# Altium PCB UltraZOhm_CarrierBoard.PcbDoc (part 4 of 12) (continued)
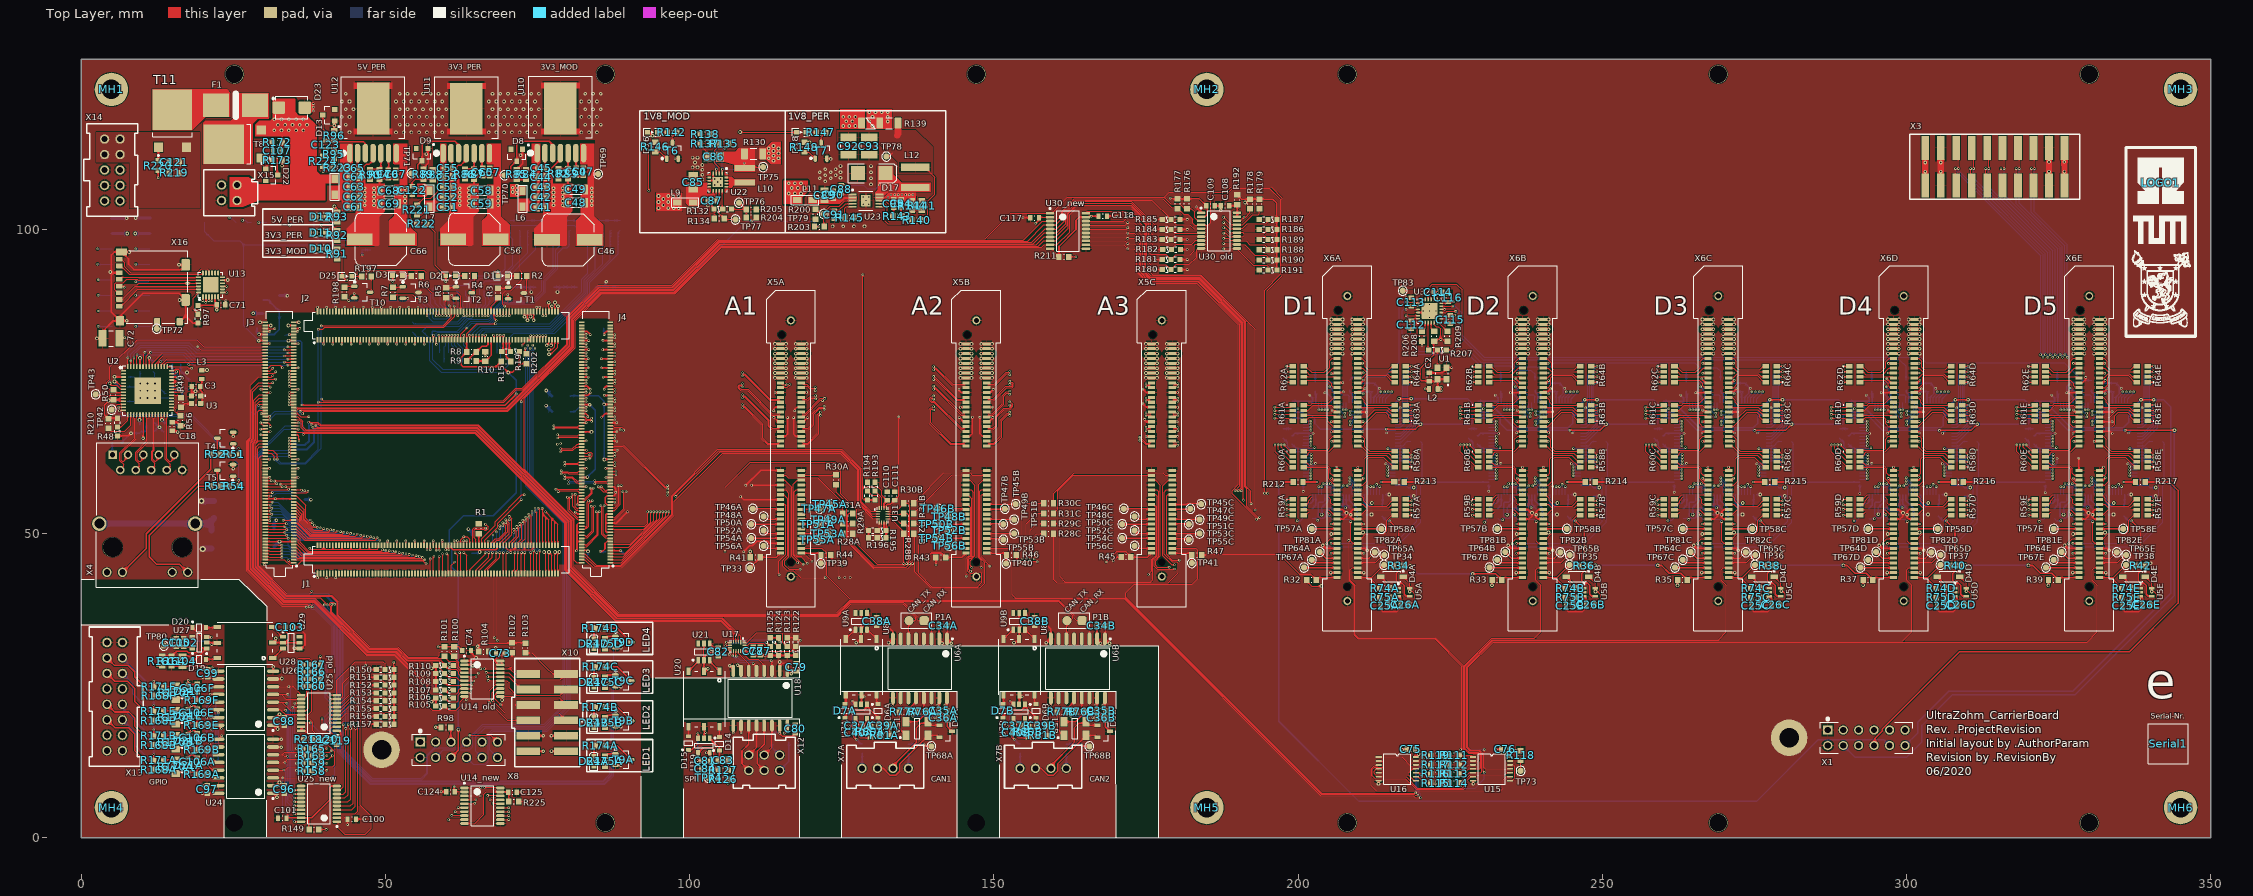
[diagram p0: Top Layer view]
## Nets (pads, with @x,y where several pads share a name; then routed paths per layer and width w, separated by ;. In a path a pad name is that pad's centre, name@x,y a point inside that pad or via, vN(x,y) a via of type N, cw(c..) or ccw(c..) an arc to the next point about the centre after c; other vN are vias at no path point) (continued)
ANL_03_P3: J4.36 X5C.23 | length 105.8
  Top Layer w0.1: v1(80.68,56.5) 80.8,56.38 80.8,54.485 81.409,53.876 81.632,53.876 81.772,53.736 J4.36@82.287,53.736 ; v2(175,72.27) 175.15,72.12 175.62,72.12 X5C.23@175.9,72.4
  L03_Sig w0.1: v1(80.68,56.5) 80.68,56.503 81.097,56.92 86.383,56.92 88.203,58.74 92.682,58.74 101.802,67.86 168.044,67.86 172.304,72.12 174.85,72.12 v2(175,72.27)
ANL_04_N1: J4.132 X5A.26 | length 44.2
  Top Layer w0.1: J4.132@82.287,77.736 82.99,77.736 v2(83,77.726) ; X5A.26@118.34,71.6 118.39,71.65 118.39,71.67 118.6,71.88 119.38,71.88 119.8,72.3 120.55,72.3 v1(120.7,72.15)
  L03_Sig w0.1: v2(83,77.726) 83.15,77.876 85.487,77.876 86.211,78.6 102.4,78.6 105.82,75.18 109,75.18 111.88,72.3 120.55,72.3 v1(120.7,72.15)
ANL_04_N2: J4.96 X5B.26 | length 116.5
  Top Layer w0.1: J4.96@82.287,68.736 82.826,68.736 82.956,68.605 83.746,68.605 v1(83.896,68.455) ; X5B.26@148.82,71.6 148.87,71.65 149.1,71.88 149.98,71.88 152.08,73.98 152.991,73.98 153.22,74.209 153.22,74.691 153.011,74.9 152.75,74.9 v1(152.6,75.05)
  L03_Sig w0.1: v1(78.805,64.821) 78.98,64.996 78.98,84.055 81.565,86.64 112.465,86.64 114.665,88.84 123.871,88.84 137.811,74.9 141.7,74.9 142.2,74.4 151.4,74.4 151.9,74.9 152.45,74.9 v1(152.6,75.05)
  L04_Sig w0.1: v1(78.805,64.821) 78.805,65.089 82.321,68.605 83.746,68.605 v1(83.896,68.455)
ANL_04_N3: J4.35 X5C.26 | length 103.7
  Top Layer w0.1: J4.35@86.957,53.736 87.007,53.786 87.597,53.786 88.62,54.809 88.62,57.75 v1(88.77,57.9) ; X5C.26@179.3,71.6 179.35,71.65 179.35,71.75 179.5,71.9 180.05,71.9 v2(180.2,71.75)
  L03_Sig w0.1: v1(88.77,57.9) 88.97,58.1 92.947,58.1 102.067,67.22 168.791,67.22 172.251,70.68 177.591,70.68 178.811,71.9 180.05,71.9 v2(180.2,71.75)
ANL_04_P1: J4.134 X5A.24 | length 44.2
  Top Layer w0.1: J4.134@82.287,78.236 82.99,78.236 v2(83,78.246) ; X5A.24@118.34,72.4 118.39,72.35 118.39,72.31 118.6,72.1 119.289,72.1 119.709,72.52 120.55,72.52 v1(120.7,72.67)
  L03_Sig w0.1: v2(83,78.246) 83.15,78.096 85.396,78.096 86.12,78.82 102.491,78.82 105.911,75.4 109.091,75.4 111.971,72.52 120.55,72.52 v1(120.7,72.67)
ANL_04_P2: J4.98 X5B.24 | length 117.3
  Top Layer w0.1: J4.98@82.287,69.236 82.698,69.236 83.109,68.825 83.746,68.825 v1(83.896,68.975) ; X5B.24@148.82,72.4 148.87,72.35 148.87,72.33 149.1,72.1 149.889,72.1 151.989,74.2 152.9,74.2 153,74.3 153,74.6 152.92,74.68 152.75,74.68 v1(152.6,74.53)
  L03_Sig w0.1: v1(78.283,64.694) 78.537,64.44 78.969,64.44 79.2,64.671 79.2,83.964 81.656,86.42 112.556,86.42 114.756,88.62 123.78,88.62 137.72,74.68 141.609,74.68 142.109,74.18 151.491,74.18 151.991,74.68 152.45,74.68 v1(152.6,74.53)
  L04_Sig w0.1: v1(78.283,64.694) 78.283,64.878 82.23,68.825 83.746,68.825 v1(83.896,68.975)
ANL_04_P3: J4.37 X5C.24 | length 103.8
  Top Layer w0.1: J4.37@86.957,54.236 87.736,54.236 88.4,54.9 88.4,57.75 v1(88.25,57.9) ; X5C.24@179.3,72.4 179.35,72.35 179.35,72.27 179.5,72.12 180.05,72.12 v2(180.2,72.27)
  L03_Sig w0.1: v1(88.25,57.9) 88.25,57.903 88.667,58.32 92.856,58.32 101.976,67.44 168.7,67.44 172.16,70.9 177.5,70.9 178.72,72.12 180.05,72.12 v2(180.2,72.27)
ANL_05_N1: J4.133 X5A.31 | length 33.6
  Top Layer w0.1: J4.133@86.957,78.236 87.69,78.236 v2(87.7,78.246) ; v1(108.7,74.65) 108.55,74.5 108.189,74.5 107.98,74.291 107.98,73.909 108.409,73.48 109.52,73.48 113.52,69.48 114.8,69.48 114.89,69.39 114.89,69.25 X5A.31@114.94,69.2
  L03_Sig w0.1: v2(87.7,78.246) 87.85,78.096 101.815,78.096 105.411,74.5 108.55,74.5 v1(108.7,74.65)
ANL_05_N2: J4.48 X5B.31 | length 107.1
  Top Layer w0.1: v1(78.41,56.921) 78.59,56.921 78.74,57.071 81.562,57.071 81.897,56.736 J4.48@82.287,56.736 ; v1(140.1,73.73) 140.25,73.88 140.3,73.88 144.68,69.5 145.12,69.5 X5B.31@145.42,69.2
  L03_Sig w0.1: v1(78.41,56.921) 78.41,61.309 79.62,62.519 79.62,83.79 81.83,86 112.73,86 114.93,88.2 123.2,88.2 137.52,73.88 139.95,73.88 v1(140.1,73.73)
ANL_05_N3: J4.30 X5C.31 | length 107.4
  Top Layer w0.1: v1(79.93,56) 79.98,56 80.08,55.9 80.08,53.805 81.509,52.376 81.632,52.376 81.772,52.236 J4.30@82.287,52.236 ; v2(175,69.35) 175.15,69.5 175.7,69.5 175.85,69.35 175.85,69.25 X5C.31@175.9,69.2
  L03_Sig w0.1: v1(79.93,56) 79.93,55.997 80.297,55.63 80.603,55.63 80.763,55.79 86.158,55.79 87.668,57.3 92.741,57.3 102.241,66.8 169.3,66.8 172,69.5 174.9,69.5 175,69.4 v2(175,69.35)
ANL_05_P1: J4.131 X5A.29 | length 32.9
  Top Layer w0.1: J4.131@86.957,77.736 87.69,77.736 v2(87.7,77.726) ; v1(108.7,74.13) 108.55,74.28 108.28,74.28 108.2,74.2 108.2,74 108.5,73.7 109.611,73.7 113.611,69.7 114.8,69.7 114.89,69.79 114.89,69.95 X5A.29@114.94,70
  L03_Sig w0.1: v2(87.7,77.726) 87.85,77.876 101.724,77.876 105.32,74.28 108.55,74.28 v1(108.7,74.13)
ANL_05_P2: J4.50 X5B.29 | length 107.3
  Top Layer w0.1: v1(78.029,57.302) 78.04,57.291 82.232,57.291 J4.50@82.287,57.236 ; v1(140.1,74.25) 140.25,74.1 140.391,74.1 144.771,69.72 145.14,69.72 X5B.29@145.42,70
  L03_Sig w0.1: v1(78.029,57.302) 78.19,57.463 78.19,61.4 79.4,62.611 79.4,83.881 81.739,86.22 112.639,86.22 114.839,88.42 123.291,88.42 137.611,74.1 139.95,74.1 v1(140.1,74.25)
ANL_05_P3: J4.32 X5C.29 | length 106.2
  Top Layer w0.1: v1(80.45,56) 80.4,56 80.3,55.9 80.3,53.896 81.6,52.596 81.632,52.596 81.772,52.736 J4.32@82.287,52.736 ; v2(175,69.87) 175.15,69.72 175.7,69.72 175.85,69.87 175.85,69.95 X5C.29@175.9,70
  L03_Sig w0.1: v1(80.45,56) 80.46,56.01 86.067,56.01 87.577,57.52 92.65,57.52 102.15,67.02 169.209,67.02 171.909,69.72 174.9,69.72 175,69.82 v2(175,69.87)
ANL_06_N1: J4.152 X5A.32 | length 51.4
  Top Layer w0.1: J4.152@82.287,82.736 82.99,82.736 v2(83,82.746) ; X5A.32@118.34,69.2 118.63,69.49 119.065,69.49 121.498,71.923 121.804,71.923 v1(121.857,71.87)
  L03_Sig w0.1: v2(83,82.746) 82.85,82.596 82.7,82.596 82.6,82.696 82.6,82.9 82.8,83.1 102.8,83.1 108.02,77.88 109.445,77.88 112.437,74.888 121.149,74.888 121.691,74.346 121.691,72.036 v1(121.857,71.87)
ANL_06_N2: J4.66 X5B.32 | length 112.2
  Top Layer w0.1: v1(79.5,61.226) 79.65,61.376 81.632,61.376 81.772,61.236 J4.66@82.287,61.236 ; X5B.32@148.82,69.2 148.87,69.25 149.1,69.48 149.791,69.48 151.6,71.289 151.6,72.58 152.1,73.08 152.45,73.08 v1(152.6,72.93)
  L03_Sig w0.1: v1(79.5,61.226) 79.65,61.376 79.791,61.376 80.04,61.625 80.04,83.616 82.004,85.58 112.904,85.58 115.104,87.78 122.52,87.78 137.22,73.08 152.45,73.08 v1(152.6,72.93)
ANL_06_N3: J4.31 X5C.32 | length 103.7
  Top Layer w0.1: J4.31@86.957,52.736 87.472,52.736 87.612,52.596 87.7,52.596 89.2,54.096 89.2,56.75 v1(89.05,56.9) ; X5C.32@179.3,69.2 179.35,69.25 179.35,69.35 179.5,69.5 180.05,69.5 v2(180.2,69.35)
  L03_Sig w0.1: v1(89.05,56.9) 89.05,56.897 89.417,56.53 89.723,56.53 89.773,56.58 92.615,56.58 102.415,66.38 169.88,66.38 171.7,68.2 178.311,68.2 179.611,69.5 180.05,69.5 v2(180.2,69.35)
ANL_06_P1: J4.150 X5A.30 | length 52.7
  Top Layer w0.1: J4.150@82.287,82.236 82.99,82.236 v2(83,82.226) ; X5A.30@118.34,70 118.63,69.71 118.974,69.71 121.504,72.24 122.222,72.24 v1(122.225,72.238)
  L03_Sig w0.1: v2(83,82.226) 82.85,82.376 82.609,82.376 82.38,82.605 82.38,82.991 82.709,83.32 102.891,83.32 108.111,78.1 109.536,78.1 112.528,75.108 121.241,75.108 121.911,74.437 121.911,72.322 121.994,72.24 122.01,72.24 122.013,72.238 v1(122.225,72.238)
ANL_06_P2: J4.68 X5B.30 | length 112.3
  Top Layer w0.1: v1(79.5,61.746) 79.65,61.596 81.632,61.596 81.772,61.736 J4.68@82.287,61.736 ; X5B.30@148.82,70 148.87,69.95 148.87,69.93 149.1,69.7 149.7,69.7 151.38,71.38 151.38,72.671 152.009,73.3 152.45,73.3 v1(152.6,73.45)
  L03_Sig w0.1: v1(79.5,61.746) 79.65,61.596 79.7,61.596 79.82,61.716 79.82,83.707 81.913,85.8 112.813,85.8 115.013,88 122.611,88 137.311,73.3 152.45,73.3 v1(152.6,73.45)
ANL_06_P3: J4.29 X5C.30 | length 103.4
  Top Layer w0.1: J4.29@86.957,52.236 87.472,52.236 87.612,52.376 87.791,52.376 89.42,54.005 89.42,56.75 v1(89.57,56.9) ; X5C.30@179.3,70 179.35,69.95 179.35,69.87 179.5,69.72 180.05,69.72 v2(180.2,69.87)
  L03_Sig w0.1: v1(89.57,56.9) 89.67,56.8 92.524,56.8 102.324,66.6 169.789,66.6 171.609,68.42 178.22,68.42 179.52,69.72 180.05,69.72 v2(180.2,69.87)
ANL_07_N1: J4.120 X5A.37 | length 37.3
  Top Layer w0.1: J4.120@82.287,74.736 82.99,74.736 v2(83,74.726) ; v1(108.7,72.33) 108.85,72.48 109,72.48 112.9,68.58 112.9,67.689 113.509,67.08 114.66,67.08 X5A.37@114.94,66.8
  L03_Sig w0.1: v2(83,74.726) 83.15,74.876 85.787,74.876 86.511,75.6 100.5,75.6 103.62,72.48 108.55,72.48 v1(108.7,72.33)
ANL_07_N2: J4.62 X5B.37 | length 105.1
  Top Layer w0.1: v1(78.9,60.35) 79.05,60.2 80.096,60.2 80.2,60.096 81.632,60.096 81.772,60.236 J4.62@82.287,60.236 ; v1(140.1,72.65) 139.95,72.5 139.689,72.5 139.48,72.291 139.48,71.809 139.709,71.58 140.12,71.58 144.62,67.08 145.14,67.08 X5B.37@145.42,66.8
  L03_Sig w0.1: v1(78.9,60.35) 79.05,60.2 79.8,60.2 80.24,60.64 80.24,83.533 82.087,85.38 112.987,85.38 115.187,87.58 122.031,87.58 137.111,72.5 139.95,72.5 v1(140.1,72.65)
ANL_07_N3: J4.26 X5C.37 | length 103.3
  Top Layer w0.1: J4.26@82.287,51.236 82.802,51.236 82.942,51.096 83,51.096 83.2,51.296 83.2,55.2 v1(83.4,55.4) v1@83.364,55.4 ; v2(175,66.95) 175.15,67.1 175.7,67.1 175.85,66.95 175.85,66.85 X5C.37@175.9,66.8
  L03_Sig w0.1: v1(83.4,55.4) 83.82,54.98 84.686,54.98 85.076,55.37 86.332,55.37 87.042,56.08 92.709,56.08 102.589,65.96 170.371,65.96 171.511,67.1 174.85,67.1 v2(175,66.95)
ANL_07_P1: J4.122 X5A.35 | length 37.3
  Top Layer w0.1: J4.122@82.287,75.236 82.99,75.236 v2(83,75.246) ; v1(108.7,72.85) 108.85,72.7 109.091,72.7 113.12,68.671 113.12,67.78 113.6,67.3 114.64,67.3 X5A.35@114.94,67.6
  L03_Sig w0.1: v2(83,75.246) 83.15,75.096 85.696,75.096 86.42,75.82 100.591,75.82 103.711,72.7 108.55,72.7 v1(108.7,72.85)
ANL_07_P2: J4.60 X5B.35 | length 104.4
  Top Layer w0.1: v1(78.9,59.83) 79.05,59.98 80.005,59.98 80.109,59.876 81.632,59.876 81.772,59.736 J4.60@82.287,59.736 ; v1(140.1,72.13) 139.95,72.28 139.78,72.28 139.7,72.2 139.7,71.9 139.8,71.8 140.211,71.8 144.711,67.3 145.12,67.3 X5B.35@145.42,67.6
  L03_Sig w0.1: v1(78.9,59.83) 79.05,59.98 79.891,59.98 80.46,60.549 80.46,83.442 82.178,85.16 113.078,85.16 115.278,87.36 121.94,87.36 137.02,72.28 139.95,72.28 v1(140.1,72.13)
ANL_07_P3: J4.24 X5C.35 | length 103.2
  Top Layer w0.1: J4.24@82.287,50.736 82.802,50.736 82.942,50.876 83.091,50.876 83.42,51.205 83.42,54.897 83.923,55.4 v1(84,55.4) v1@84,55.3 ; v2(175,67.47) 175.15,67.32 175.7,67.32 175.85,67.47 175.85,67.55 X5C.35@175.9,67.6
  L03_Sig w0.1: v1(84,55.4) 84.2,55.2 84.595,55.2 84.985,55.59 86.241,55.59 86.951,56.3 92.618,56.3 102.498,66.18 170.28,66.18 171.42,67.32 174.85,67.32 v2(175,67.47)
ANL_08_N1: J4.116 X5A.38 | length 48.3
  Top Layer w0.1: J4.116@82.287,73.736 82.99,73.736 v2(83,73.746) ; X5A.38@118.34,66.8 118.62,67.08 119.591,67.08 120.4,67.889 120.4,69.6 121.38,70.58 121.95,70.58 v1(122.1,70.43)
  L03_Sig w0.1: v2(83,73.746) 82.8,73.946 82.8,74 82.9,74.1 100.311,74.1 102.731,71.68 109.009,71.68 110.109,70.58 122,70.58 122.1,70.48 v1(122.1,70.43)
ANL_08_N2: J4.56 X5B.38 | length 116.2
  Top Layer w0.1: v1(79.5,59.55) 79.65,59.4 80.696,59.4 81.5,58.596 81.632,58.596 81.772,58.736 J4.56@82.287,58.736 ; X5B.38@148.82,66.8 148.87,66.85 149.1,67.08 149.891,67.08 150.5,67.689 150.5,69.2 151.68,70.38 152.591,70.38 153.12,70.909 153.12,71.271 152.891,71.5 152.75,71.5 v1(152.6,71.65)
  L03_Sig w0.1: v1(79.5,59.55) 79.65,59.4 80.2,59.4 80.66,59.86 80.66,83.359 82.261,84.96 113.161,84.96 115.361,87.16 121.451,87.16 137.111,71.5 152.5,71.5 152.6,71.6 v1(152.6,71.65)
ANL_08_N3: J4.20 X5C.38 | length 109.9
  Top Layer w0.1: J4.20@82.287,49.736 82.802,49.736 82.942,49.596 83.1,49.596 84,50.496 84,54.35 v1(83.85,54.5) ; X5C.38@179.3,66.8 179.58,67.08 180.05,67.08 v2(180.2,66.93)
  L03_Sig w0.1: v1(83.85,54.5) 84,54.35 84,54.209 84.229,53.98 84.691,53.98 85.02,54.309 85.02,54.72 85.25,54.95 86.15,54.95 86.47,54.63 88.041,54.63 89.011,55.6 92.823,55.6 102.763,65.54 170.851,65.54 171.611,66.3 179.091,66.3 179.871,67.08 180.05,67.08 v2(180.2,66.93)
ANL_08_P1: J4.114 X5A.36 | length 49.3
  Top Layer w0.1: J4.114@82.287,73.236 82.99,73.236 v2(83,73.226) ; X5A.36@118.34,67.6 118.64,67.3 119.5,67.3 120.18,67.98 120.18,69.691 121.289,70.8 121.95,70.8 v1(122.1,70.95)
  L03_Sig w0.1: v2(83,73.226) 82.997,73.226 82.58,73.643 82.58,74.091 82.809,74.32 100.402,74.32 102.822,71.9 109.1,71.9 110.2,70.8 122,70.8 122.1,70.9 v1(122.1,70.95)
ANL_08_P2: J4.54 X5B.36 | length 115.5
  Top Layer w0.1: v1(79.5,59.03) 79.65,59.18 80.605,59.18 81.409,58.376 81.632,58.376 81.772,58.236 J4.54@82.287,58.236 ; X5B.36@148.82,67.6 148.87,67.55 148.87,67.53 149.1,67.3 149.8,67.3 150.28,67.78 150.28,69.291 151.589,70.6 152.5,70.6 152.9,71 152.9,71.18 152.8,71.28 152.75,71.28 v1(152.6,71.13)
  L03_Sig w0.1: v1(79.5,59.03) 79.65,59.18 80.291,59.18 80.88,59.769 80.88,83.268 82.352,84.74 113.252,84.74 115.452,86.94 121.36,86.94 137.02,71.28 152.5,71.28 152.6,71.18 v1(152.6,71.13)
ANL_08_P3: J4.18 X5C.36 | length 109.9
  Top Layer w0.1: J4.18@82.287,49.236 82.802,49.236 82.942,49.376 83.191,49.376 84.22,50.405 84.22,54.35 v1(84.37,54.5) ; X5C.36@179.3,67.6 179.6,67.3 180.05,67.3 v2(180.2,67.45)
  L03_Sig w0.1: v1(84.37,54.5) 84.22,54.35 84.22,54.3 84.32,54.2 84.6,54.2 84.8,54.4 84.8,54.811 85.159,55.17 86.241,55.17 86.561,54.85 87.95,54.85 88.92,55.82 92.732,55.82 102.672,65.76 170.76,65.76 171.52,66.52 179,66.52 179.78,67.3 180.05,67.3 v2(180.2,67.45)
ANL_09_N1: J4.108 X5A.43 | length 37.9
  Top Layer w0.1: J4.108@82.287,71.736 82.99,71.736 v2(83,71.726) ; v1(108.7,70.686) 108.85,70.836 108.9,70.836 111.8,67.936 111.8,65.609 112.729,64.68 114.66,64.68 X5A.43@114.94,64.4
  L03_Sig w0.1: v2(83,71.726) 83.15,71.876 85.987,71.876 86.711,72.6 99.5,72.6 101.264,70.836 108.6,70.836 108.7,70.736 v1(108.7,70.686)
ANL_09_N2: J4.55 X5B.43 | length 110.5
  Top Layer w0.1: v1(84.4,58.746) 84.4,58.696 84.5,58.596 86.302,58.596 86.442,58.736 J4.55@86.957,58.736 ; v1(140.1,70.85) 139.95,70.7 139.609,70.7 139.38,70.471 139.38,68.109 142.809,64.68 145.14,64.68 X5B.43@145.42,64.4
  L03_Sig w0.1: v1(80.1,58.746) 80.25,58.596 80.5,58.596 81.08,59.176 81.08,83.185 82.435,84.54 113.335,84.54 115.535,86.74 120.671,86.74 136.711,70.7 139.95,70.7 v1(140.1,70.85)
  Bottom Layer w0.1: v1(80.1,58.746) 80.1,58.696 80.2,58.596 84.25,58.596 v1(84.4,58.746)
ANL_09_N3: J4.17 X5C.43 | length 102.2
  Top Layer w0.1: v1(85.43,54.6) 85.58,54.45 85.58,49.905 86.109,49.376 86.302,49.376 86.442,49.236 J4.17@86.957,49.236 ; v1@174,65.4 v1(174,65.35) 174.25,65.35 174.92,64.68 175.62,64.68 X5C.43@175.9,64.4
  L03_Sig w0.1: v1(85.43,54.6) 85.43,54.597 85.817,54.21 88.221,54.21 89.191,55.18 92.997,55.18 102.937,65.12 171.231,65.12 171.611,65.5 173.85,65.5 v1(174,65.35)
ANL_09_P1: J4.110 X5A.41 | length 38
  Top Layer w0.1: J4.110@82.287,72.236 82.99,72.236 v2(83,72.246) ; v1(108.7,71.206) 108.85,71.056 108.991,71.056 112.02,68.027 112.02,65.7 112.82,64.9 114.64,64.9 X5A.41@114.94,65.2
  L03_Sig w0.1: v2(83,72.246) 83.15,72.096 85.896,72.096 86.62,72.82 99.591,72.82 101.356,71.056 108.644,71.056 108.7,71.111 v1(108.7,71.206)
ANL_09_P2: J4.53 X5B.41 | length 109.7
  Top Layer w0.1: v1(84.4,58.226) 84.4,58.276 84.5,58.376 86.302,58.376 86.442,58.236 J4.53@86.957,58.236 ; v1(140.1,70.33) 139.95,70.48 139.7,70.48 139.6,70.38 139.6,68.2 142.9,64.9 145.12,64.9 X5B.41@145.42,65.2
  L03_Sig w0.1: v1(80.1,58.226) 80.25,58.376 80.591,58.376 81.3,59.085 81.3,83.094 82.526,84.32 113.426,84.32 115.626,86.52 120.58,86.52 136.62,70.48 139.95,70.48 v1(140.1,70.33)
  Bottom Layer w0.1: v1(80.1,58.226) 80.1,58.276 80.2,58.376 84.25,58.376 v1(84.4,58.226)
ANL_09_P3: J4.19 X5C.41 | length 101.3
  Top Layer w0.1: v1(85.95,54.6) 85.8,54.45 85.8,49.996 86.2,49.596 86.302,49.596 86.442,49.736 J4.19@86.957,49.736 ; v1(174,65.87) 174.041,65.87 175.011,64.9 175.6,64.9 175.85,65.15 X5C.41@175.9,65.2
  L03_Sig w0.1: v1(85.95,54.6) 86.12,54.43 88.13,54.43 89.1,55.4 92.906,55.4 102.846,65.34 171.14,65.34 171.52,65.72 173.85,65.72 v1(174,65.87)
ANL_10_N1: J4.91 X5A.44 | length 43.3
  Top Layer w0.1: J4.91@86.957,67.736 87.382,67.736 87.63,67.488 88.875,67.488 89.154,67.208 v1(89.154,67.005) ; X5A.44@118.34,64.4 118.62,64.68 119.491,64.68 121.2,66.389 121.2,69.48 121.3,69.58 121.35,69.58 v1(121.5,69.43)
  L03_Sig w0.1: v1(89.154,67.005) 89.318,67.169 91.198,67.169 93.608,69.58 121.35,69.58 v1(121.5,69.43)
ANL_10_N2: J4.72 X5B.44 | length 109.6
  Top Layer w0.1: J4.72@82.287,62.736 83.386,62.736 v1(83.617,62.967) ; X5B.44@148.82,64.4 149.1,64.68 150.091,64.68 151.3,65.889 151.3,68.58 152.3,69.58 152.45,69.58 v1(152.6,69.43)
  L03_Sig w0.1: v1(83.617,62.967) 83.515,63.068 82.177,63.068 81.72,63.525 81.72,82.92 82.7,83.9 113.6,83.9 115.8,86.1 120,86.1 136.52,69.58 152.45,69.58 v1(152.6,69.43)
ANL_10_N3: J4.77 X5C.44 | length 100.8
  Top Layer w0.1: J4.77@86.957,64.236 87.472,64.236 87.634,64.398 89.02,64.398 95.895,57.523 96.224,57.523 v1(96.393,57.353) ; X5C.44@179.3,64.4 179.6,64.7 180.05,64.7 v2(180.2,64.55)
  L03_Sig w0.1: v1(96.393,57.353) 96.774,57.734 96.774,58.363 103.111,64.7 180.1,64.7 180.2,64.6 v2(180.2,64.55)
ANL_10_P1: J4.89 X5A.42 | length 43
  Top Layer w0.1: J4.89@86.957,67.236 88.441,67.236 v1(88.621,67.056) ; X5A.42@118.34,65.2 118.64,64.9 119.4,64.9 120.98,66.48 120.98,69.571 121.209,69.8 121.35,69.8 v1(121.5,69.95)
  L03_Sig w0.1: v1(88.621,67.056) 88.954,67.389 91.107,67.389 93.517,69.8 121.35,69.8 v1(121.5,69.95)
ANL_10_P2: J4.74 X5B.42 | length 111.7
  Top Layer w0.1: J4.74@82.287,63.236 83.277,63.236 83.388,63.348 83.759,63.348 83.998,63.109 83.998,62.814 v1(83.617,62.433) ; X5B.42@148.82,65.2 149.12,64.9 150,64.9 151.08,65.98 151.08,68.671 152.209,69.8 152.45,69.8 v1(152.6,69.95)
  L03_Sig w0.1: v1(83.617,62.433) 83.202,62.848 82.086,62.848 81.5,63.434 81.5,83.011 82.609,84.12 113.509,84.12 115.709,86.32 120.091,86.32 136.611,69.8 152.45,69.8 v1(152.6,69.95)
ANL_10_P3: J4.79 X5C.42 | length 100.5
  Top Layer w0.1: J4.79@86.957,64.736 87.472,64.736 87.59,64.618 89.112,64.618 95.987,57.743 96.224,57.743 v1(96.393,57.912) ; X5C.42@179.3,65.2 179.58,64.92 180.05,64.92 v2(180.2,65.07)
  L03_Sig w0.1: v1(96.393,57.912) 96.545,58.064 96.545,58.445 103.02,64.92 180.1,64.92 180.2,65.02 v2(180.2,65.07)
ANL_RES_01A: TP45A.1 X5A.60 | length 4.9
  Top Layer w0.254: X5A.60@118.34,54.8 120.7,54.8 120.9,55 122.962,55 TP45A.1@123.106,54.856
ANL_RES_01B: TP45B.1 X5B.60 | length 4.8
  Top Layer w0.254: X5B.60@148.82,54.8 148.876,54.856 TP45B.1@153.586,54.856
ANL_RES_01C: TP45C.1 X5C.60 | length 4.9
  Top Layer w0.254: X5C.60@179.3,54.8 181.66,54.8 181.86,55 183.922,55 TP45C.1@184.066,54.856
ANL_RES_02A: TP46A.1 X5A.61 | length 4.6
  Top Layer w0.254: TP46A.1@110.382,54.094 114.846,54.094 X5A.61@114.94,54
ANL_RES_02B: TP46B.1 X5B.61 | length 4.6
  Top Layer w0.254: TP46B.1@140.862,54.094 145.326,54.094 X5B.61@145.42,54
ANL_RES_02C: TP46C.1 X5C.61 | length 4.6
  Top Layer w0.254: TP46C.1@171.342,54.094 175.806,54.094 X5C.61@175.9,54
ANL_RES_03A: TP47A.1 X5A.62 | length 3
  Top Layer w0.254: X5A.62@118.34,54 121.234,54 TP47A.1@121.328,54.094
ANL_RES_03B: TP47B.1 X5B.62 | length 3
  Top Layer w0.254: X5B.62@148.82,54 151.714,54 TP47B.1@151.808,54.094
ANL_RES_03C: TP47C.1 X5C.62 | length 3
  Top Layer w0.254: X5C.62@179.3,54 182.194,54 TP47C.1@182.288,54.094
ANL_RES_04A: TP48A.1 X5A.65 | length 3
  Top Layer w0.254: TP48A.1@112.16,52.824 112.584,52.4 X5A.65@114.94,52.4
ANL_RES_04B: TP48B.1 X5B.65 | length 3
  Top Layer w0.254: TP48B.1@142.64,52.824 143.064,52.4 X5B.65@145.42,52.4
ANL_RES_04C: TP48C.1 X5C.65 | length 3
  Top Layer w0.254: TP48C.1@173.12,52.824 173.544,52.4 X5C.65@175.9,52.4
ANL_RES_05A: TP49A.1 X5A.66 | length 4.5
  Top Layer w0.254: X5A.66@118.34,52.4 122.768,52.4 TP49A.1@122.852,52.316
ANL_RES_05B: TP49B.1 X5B.66 | length 4.5
  Top Layer w0.254: X5B.66@148.82,52.4 153.248,52.4 TP49B.1@153.332,52.316
ANL_RES_05C: TP49C.1 X5C.66 | length 4.5
  Top Layer w0.254: X5C.66@179.3,52.4 183.728,52.4 TP49C.1@183.812,52.316
ANL_RES_06A: TP50A.1 X5A.67 | length 4.8
  Top Layer w0.254: TP50A.1@110.128,51.554 114.894,51.554 X5A.67@114.94,51.6
ANL_RES_06B: TP50B.1 X5B.67 | length 4.8
  Top Layer w0.254: TP50B.1@140.608,51.554 145.374,51.554 X5B.67@145.42,51.6
ANL_RES_06C: TP50C.1 X5C.67 | length 4.8
  Top Layer w0.254: TP50C.1@171.088,51.554 175.854,51.554 X5C.67@175.9,51.6
ANL_RES_07A: TP51A.1 X5A.68 | length 2.8
  Top Layer w0.254: X5A.68@118.34,51.6 121.028,51.6 TP51A.1@121.074,51.554
ANL_RES_07B: TP51B.1 X5B.68 | length 2.8
  Top Layer w0.254: X5B.68@148.82,51.6 151.508,51.6 TP51B.1@151.554,51.554
ANL_RES_07C: TP51C.1 X5C.68 | length 2.8
  Top Layer w0.254: X5C.68@179.3,51.6 181.988,51.6 TP51C.1@182.034,51.554
ANL_RES_08A: TP52A.1 X5A.71 | length 3
  Top Layer w0.254: TP52A.1@112.16,50.538 112.698,50 X5A.71@114.94,50
ANL_RES_08B: TP52B.1 X5B.71 | length 3
  Top Layer w0.254: TP52B.1@142.64,50.538 143.178,50 X5B.71@145.42,50
ANL_RES_08C: TP52C.1 X5C.71 | length 3
  Top Layer w0.254: TP52C.1@173.12,50.538 173.658,50 X5C.71@175.9,50
ANL_RES_09A: TP53A.1 X5A.72 | length 4.5
  Top Layer w0.254: X5A.72@118.34,50 122.822,50 TP53A.1@122.852,50.03
ANL_RES_09B: TP53B.1 X5B.72 | length 4.5
  Top Layer w0.254: X5B.72@148.82,50 153.302,50 TP53B.1@153.332,50.03
ANL_RES_09C: TP53C.1 X5C.72 | length 4.5
  Top Layer w0.254: X5C.72@179.3,50 183.782,50 TP53C.1@183.812,50.03
ANL_RES_10A: TP54A.1 X5A.73 | length 4.8
  Top Layer w0.254: TP54A.1@110.128,49.268 114.872,49.268 X5A.73@114.94,49.2
ANL_RES_10B: TP54B.1 X5B.73 | length 4.8
  Top Layer w0.254: TP54B.1@140.608,49.268 145.352,49.268 X5B.73@145.42,49.2
ANL_RES_10C: TP54C.1 X5C.73 | length 4.8
  Top Layer w0.254: TP54C.1@171.088,49.268 175.832,49.268 X5C.73@175.9,49.2
ANL_RES_11A: TP55A.1 X5A.74 | length 2.8
  Top Layer w0.254: X5A.74@118.34,49.2 120.888,49.2 TP55A.1@121.074,49.014
ANL_RES_11B: TP55B.1 X5B.74 | length 2.8
  Top Layer w0.254: X5B.74@148.82,49.2 151.368,49.2 TP55B.1@151.554,49.014
ANL_RES_11C: TP55C.1 X5C.74 | length 2.8
  Top Layer w0.254: X5C.74@179.3,49.2 181.848,49.2 TP55C.1@182.034,49.014
ANL_RES_12A: TP56A.1 X5A.77 | length 2.9
  Top Layer w0.254: TP56A.1@112.16,47.998 112.558,47.6 X5A.77@114.94,47.6
ANL_RES_12B: TP56B.1 X5B.77 | length 2.9
  Top Layer w0.254: TP56B.1@142.64,47.998 143.038,47.6 X5B.77@145.42,47.6
ANL_RES_12C: TP56C.1 X5C.77 | length 2.9
  Top Layer w0.254: TP56C.1@173.12,47.998 173.518,47.6 X5C.77@175.9,47.6
AVDD3: C16.2 C17.2 L4.1 U2.20 U2.25 | length 12.5
  Top Layer w0.254: v4@10.185,65.7 U2.20@10.185,69.565 ; U2.25@12.685,69.565 12.685,67.715 v4(12.9,67.5)
  L04_Sig w0.254: v4(10.2,65.7) 11.1,65.7 v4(12.9,67.5)
  Bottom Layer w0.254: C17.2@12.118,66.875 12.743,67.5 v4@12.814,67.5 ; C16.2@12.118,68.196 v4@12.814,67.5 ; L4.1@13.553,66.748 12.9,67.401 v4(12.9,67.5) v4@12.814,67.5
AVDD18: C8.1 C9.1 C10.1 C11.1 U2.3 U2.19 U2.26 U2.35 U2.38 U2.39 | length 39.7
  Top Layer w0.254: v4(5.5,75.8) 5.545,75.755 U2.3@6.995,75.755 ; v3(9.6,68.7) 9.685,68.785 U2.19@9.685,69.565 ; U2.26@13.185,69.565 13.185,68.815 v3(13.3,68.7) ; U2.35@14.875,73.255 16.455,73.255 v4(16.6,73.4) 16.6,74.8 16.4,75 15.5,75 ; U2.38@14.875,74.755 15.255,74.755 15.5,75 ; U2.39@14.875,75.255 15.245,75.255 15.5,75
  L04_Sig w0.254: v4(5.5,75.8) 7.5,75.8 8.4,76.7 14.3,76.7 14.9,77.3 16.4,77.3 16.8,76.9 16.8,73.6 v4(16.6,73.4) 16.573,73.373 14.873,73.373 13.3,71.8 v3(13.3,68.7) v3(9.6,68.7)
  Bottom Layer w0.254: v4(5.5,75.8) 5.535,75.765 C10.1@6.375,75.765 ; v3(9.6,68.7) 9.627,68.673 C11.1@9.627,67.929 ; v3(13.3,68.7) 13.3,68.688 C8.1@13.842,68.145 ; C9.1@16.411,71.854 16.6,72.043 v4(16.6,73.4)
B64_T0: J4.8 U31.1 | length 66.6
  Top Layer w0.1: J4.8@82.287,46.736 82.802,46.736 84.698,44.84 88.722,44.84 97.053,53.172 97.053,56.236 97.066,56.248 97.066,56.252 104.664,63.849 125.036,63.849 128.21,60.675 128.21,55.245 129.769,53.685 130.975,53.685 U31.1@131.025,53.635
B64_T1: J4.6 U31.2 | length 66.5
  Top Layer w0.1: J4.6@82.287,46.236 82.802,46.236 84.41,44.628 88.792,44.628 97.266,53.101 97.266,56.156 104.759,63.649 124.953,63.649 128.01,60.592 128.01,55.162 129.887,53.285 130.925,53.285 U31.2@130.975,53.235
B64_T2: J4.2 R180.2 U30_new.9 U30_old.10 | length 169.8
  Top Layer w0.1: J4.2@82.287,45.236 81.459,45.236 81.05,45.645 81.05,52.413 72.867,60.596 72.867,72.253 81.2,80.586 81.2,85.034 85.566,89.4 97.614,89.4 105.266,97.051 157.833,97.051 158.293,97.511 159.289,97.511 159.329,97.471 160.361,97.471 162.449,99.558 162.449,102.454 163.426,103.431 172.593,103.431 175.158,100.866 175.158,94.844 175.768,94.234 178.273,94.234 R180.2@179.111,93.396 180,94.285 182.118,94.285 183.3,95.467 183.3,96.7 183.465,96.865 184.14,96.865 U30_old.10@184.15,96.875
B64_T3: J4.4 U31.4 | length 66
  Top Layer w0.1: J4.4@82.287,45.736 82.802,45.736 84.139,44.399 88.847,44.399 97.495,53.047 97.495,55.305 105.439,63.249 124.787,63.249 127.61,60.427 127.61,54.996 130.121,52.485 130.925,52.485 U31.4@130.975,52.435
B66_L23_N: J1.110 U31.3 | length 81.2
  Top Layer w0.1: J1.110@65.872,48.121 65.872,49.184 68.047,51.359 68.047,51.994 72.441,56.388 v1(72.847,56.388) ; v1(97.739,56.134) 105.054,63.449 124.87,63.449 127.81,60.509 127.81,55.079 130.004,52.885 130.925,52.885 U31.3@130.975,52.835
  L04_Sig w0.1: v1(72.847,56.388) 79.375,56.388 79.985,56.998 87.567,56.998 87.819,57.25 94.439,57.25 95.809,55.88 97.485,55.88 v1(97.739,56.134)
B128_RX0_N: J2.46
B128_RX0_P: J2.48
B128_RX1_N: J2.40
B128_RX1_P: J2.42
B128_RX2_N: J2.34
B128_RX2_P: J2.36
B128_RX3_N: J2.28
B128_RX3_P: J2.30
B128_TX0_N: J2.43
B128_TX0_P: J2.45
B128_TX1_N: J2.37
B128_TX1_P: J2.39
B128_TX2_N: J2.31
B128_TX2_P: J2.33
B128_TX3_N: J2.25
B128_TX3_P: J2.27
B228_CLK0_N: J3.60
B228_CLK0_P: J3.62
B228_RX0_N: J1.71
B228_RX0_P: J1.69
B228_RX1_N: J1.65
B228_RX1_P: J1.63
B228_RX2_N: J1.59
B228_RX2_P: J1.57
B228_RX3_N: J1.53
B228_RX3_P: J1.51
B228_TX0_N: J1.70
B228_TX0_P: J1.68
B228_TX1_N: J1.64
B228_TX1_P: J1.62
B228_TX2_N: J1.58
B228_TX2_P: J1.56
B228_TX3_N: J1.52
B228_TX3_P: J1.50
B229_CLK0_N: J3.65
B229_CLK0_P: J3.67
B229_RX0_N: J1.47
B229_RX0_P: J1.45
B229_RX1_N: J1.41
B229_RX1_P: J1.39
B229_RX2_N: J1.35
B229_RX2_P: J1.33
B229_RX3_N: J1.29
B229_RX3_P: J1.27
B229_TX0_N: J1.46
B229_TX0_P: J1.44
B229_TX1_N: J1.40
B229_TX1_P: J1.38
B229_TX2_N: J1.34
B229_TX2_P: J1.32
B229_TX3_N: J1.28
B229_TX3_P: J1.26
B230_CLK1_N: J3.59
B230_CLK1_P: J3.61
B230_RX0_N: J1.23
B230_RX0_P: J1.21
B230_RX1_N: J1.17
B230_RX1_P: J1.15
B230_RX2_N: J1.11
B230_RX2_P: J1.9
B230_RX3_N: J1.5
B230_RX3_P: J1.3
B230_TX0_N: J1.22
B230_TX0_P: J1.20
B230_TX1_N: J1.16
B230_TX1_P: J1.14
B230_TX2_N: J1.10
B230_TX2_P: J1.8
B230_TX3_N: J1.4
B230_TX3_P: J1.2
B505_CLK0_N: J2.12
B505_CLK0_P: J2.10
B505_CLK1_N: J2.18
B505_CLK1_P: J2.16
CAN_HA: D5A.1 L5A.3 X7A.2 | length 12.7
  Top Layer w0.254: X7A.2@133.413,11.443 133.413,11.874 137.236,15.697 137.236,18.085 138.024,18.872 138.988,18.872 L5A.3@139.217,19.101 139.791,18.527 D5A.1@141.085,18.527